# Altium PCB USD3.0.PcbDoc (part 1 of 3) (continued)
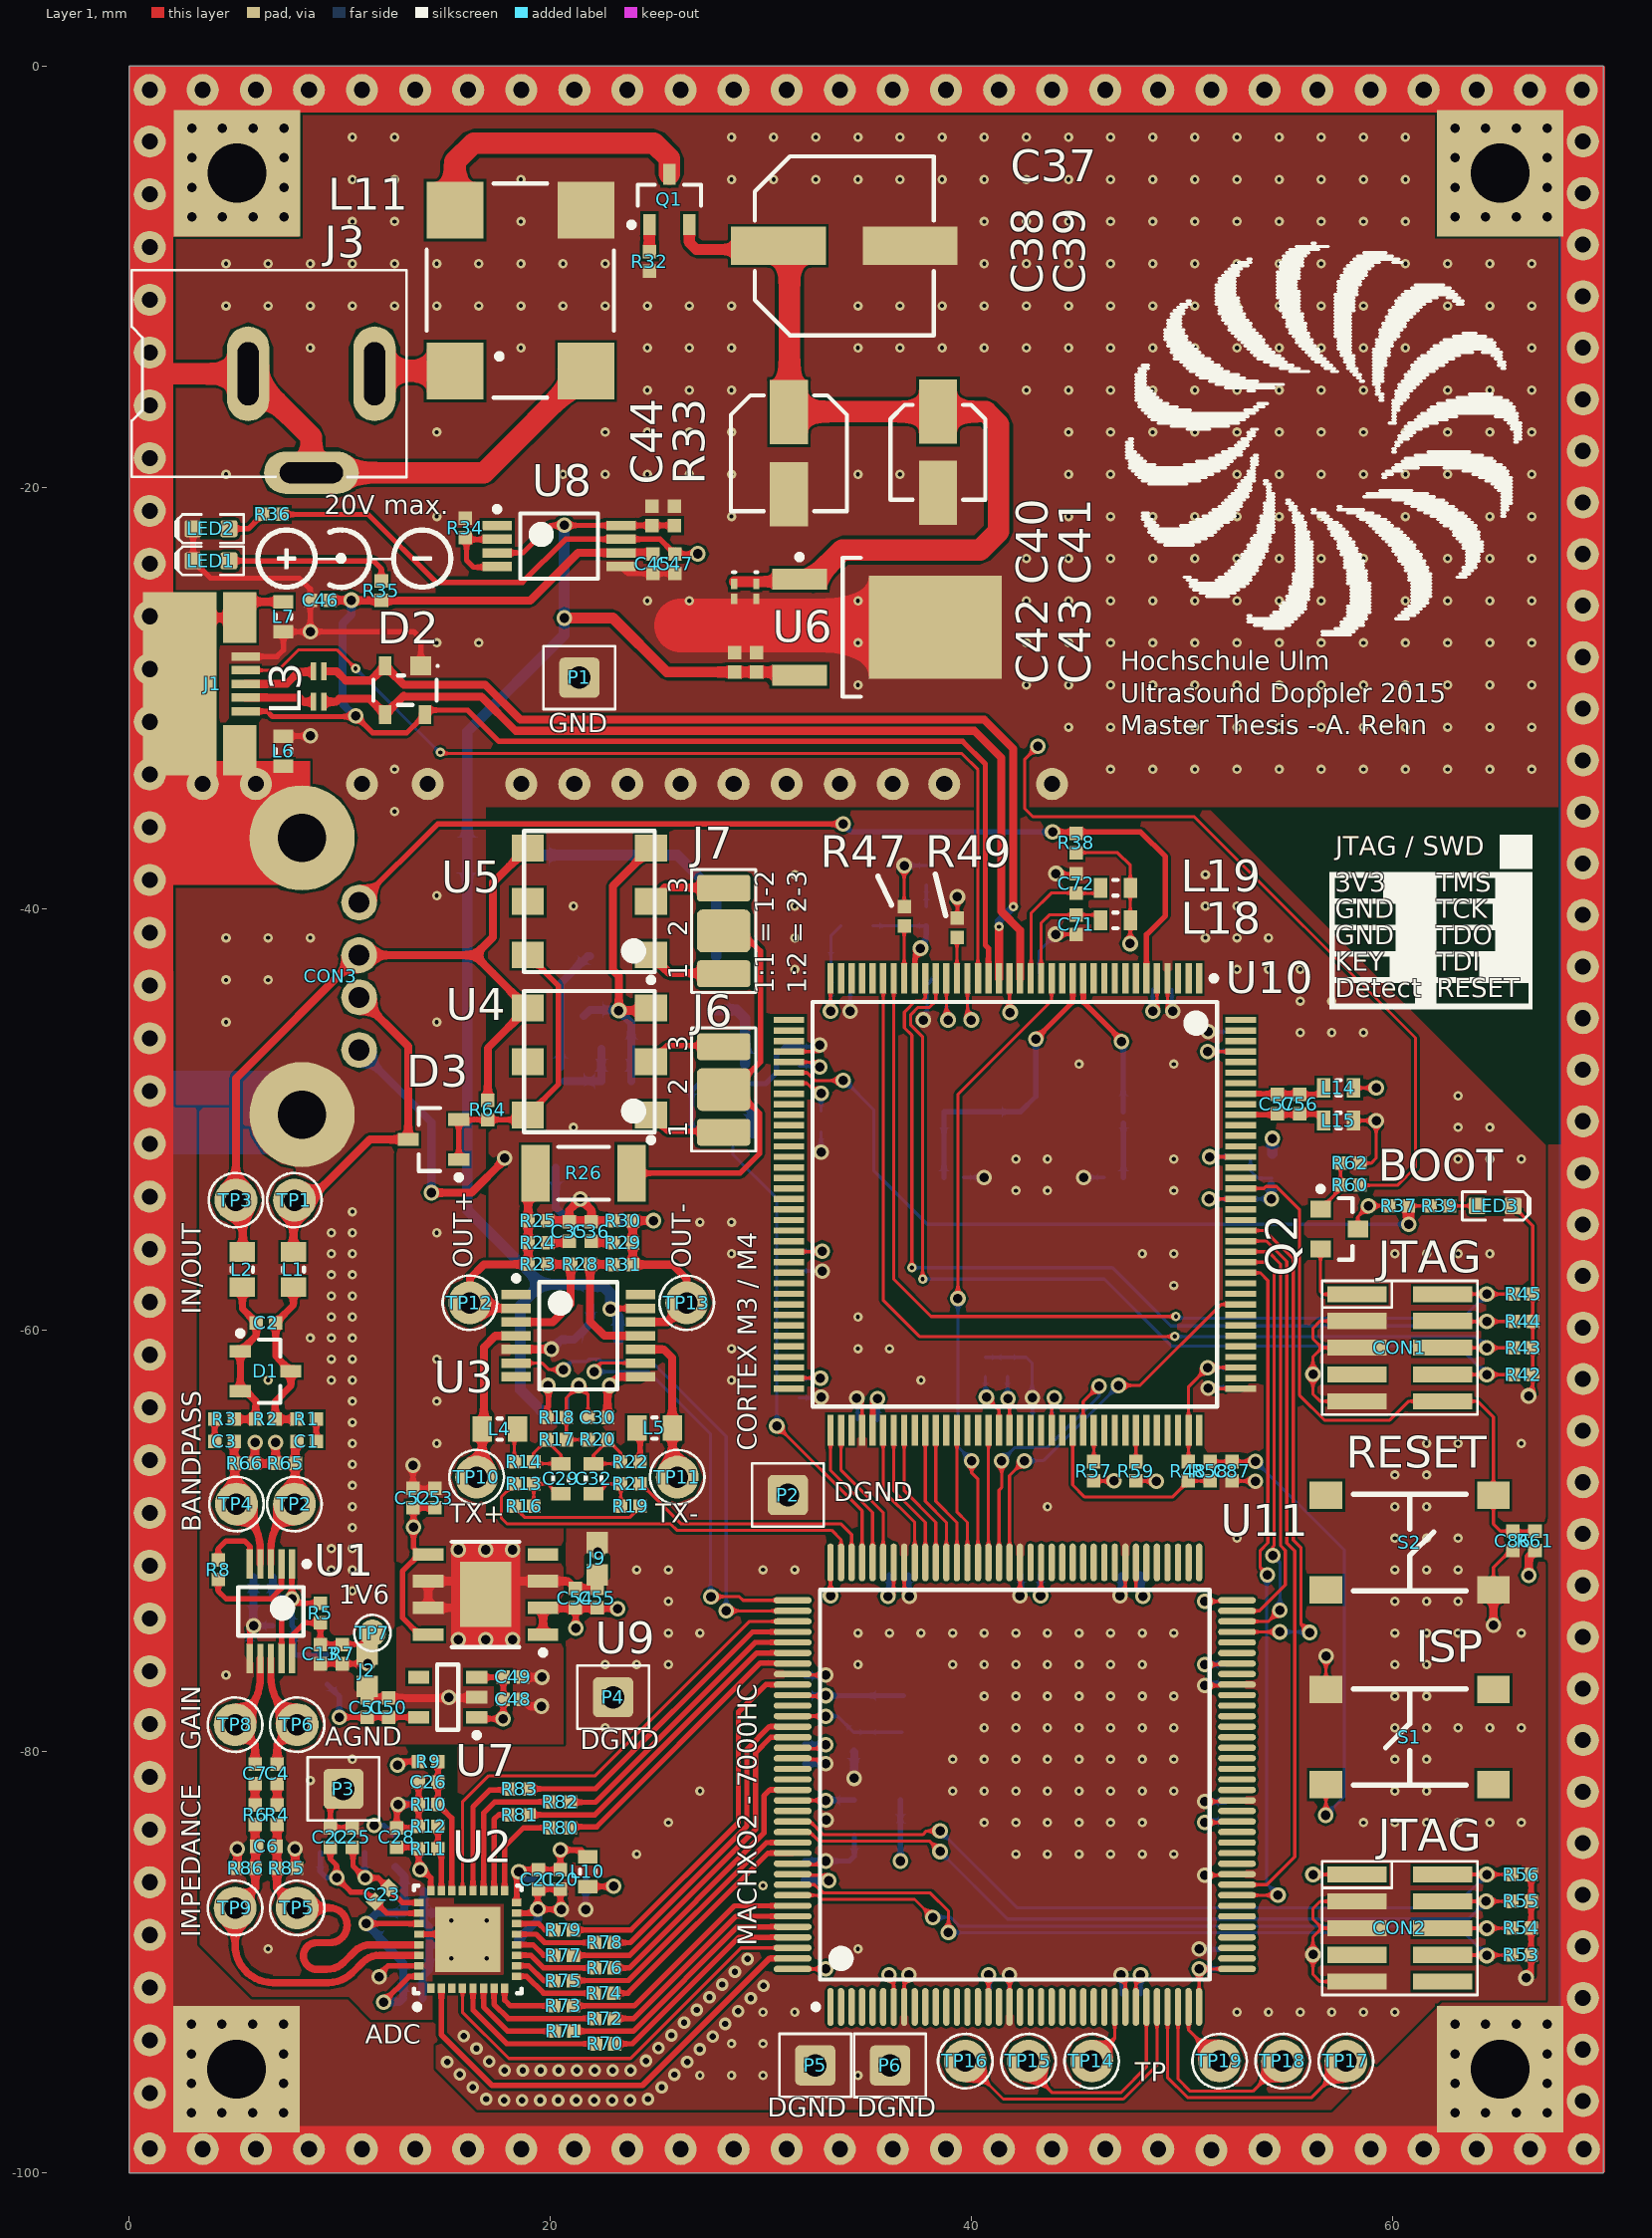
[diagram p0: Layer 1 view]
## Classes and differential pairs
net class GAINED: GAINED_N GAINED_P
component class CPLD: C75 C76 C77 C78 C79 C80 C81 C82 C83 C84 C85 CON2 J5 OSC2 R52 R53 R54 R55 R56 TP14 TP15 TP16 TP17 TP18 TP19 U11
net class SPI[4..0]: SPI0 SPI1 SPI2 SPI3 SPI4
net class DATA[7..0]: DATA0 DATA1 DATA2 DATA3 DATA4 DATA5 DATA6 DATA7
component class Messsystem: D2 P1 P2 P3 P4 P5 P6
component class Transmitter: C29 C30 C32 C33 C34 C35 C36 D3 J6 J7 L4 L5 Q3 Q4 R13 R14 R15 R16 R17 R18 R19 R20 R21 R22 R23 R24 R25 R26 R27 R28 R29 R30 R31 R63 R64 R67 R68 R69 R84 TP10 TP11 TP12 TP13 U3 U4 U5
component class System: CON3 J1 J3 L3 L6 L7
component class Receiver: C4 C6 C7 C9 C10 C11 C12 C13 C14 C15 C16 C17 C18 C19 C20 C21 C22 C23 C24 C25 C26 C27 C28 L8 L9 L10 L12 R4 R5 R6 R7 R8 R9 R10 R11 R12 R65 R66 R70 R71 R72 R73 R74 R75 R76 R77 R78 R79 R80 R81 R82 R83 R85 R86 TP5 TP6 TP7 TP8 TP9 U1 U2
net class TX_PWDN[1..0]: TX_PWDN0 TX_PWDN1
net class TX_CLOCK[1..0]: TX_CLOCK0 TX_CLOCK1
component class Bandpass: C1 C2 C3 D1 L1 L2 R1 R2 R3 TP1 TP2 TP3 TP4
net class ADC[13..0]: ADC0 ADC1 ADC2 ADC3 ADC4 ADC5 ADC6 ADC7 ADC8 ADC9 ADC10 ADC11 ADC12 ADC13
component class "Cortex CLK_SWD_USB_ADC": C73 C74 C86 CON1 J4 OSC1 Q2 R38 R41 R42 R43 R44 R45 R46 R47 R49 R50 R51 R60 R61 R62 S2
component class "Cortex POWER": C56 C57 C58 C59 C60 C61 C62 C63 C64 C65 C66 C67 C68 C69 C70 C71 C72 L14 L15 L16 L17 L18 L19
component class Ports: C87 LED3 R37 R39 R40 R48 R57 R58 R59 S1 U10
net class USB: USB0_N USB0_P
net class ADC: ADC_OTR RX_CLOCK
component class Supply: C37 C38 C39 C40 C41 C42 C43 C44 C45 C46 C47 C48 C49 C50 C51 C52 C53 C54 C55 J2 J9 L11 LED1 LED2 Q1 R32 R33 R34 R35 R36 U6 U7 U8 U9
differential pair OUT: +OUT_P -OUT_N
differential pair TX: +TX_P -TX_N
differential pair FILTERED: +FILTERED_P -FILTERED_N
differential pair PIEZO: +PIEZO_P -PIEZO_N
differential pair USB0: +USB0_P -USB0_N

## Components (designator, comment, footprint, x,y, rotation, side; value= is the part's Value field where it differs from the comment)
C1 "470pF" 0402[1005] 8.425,-65.275 r180 top
C2 "47pF" 0402[1005] 6.5,-59.65 r180 top
C3 "470pF" 0402[1005] 4.525,-65.275 r0 top
C4 "0.1µF" 0402[1005] 7.028,-81.053 r270 top
C6 "20pF" 0402[1005] 6.503,-84.503 r180 top
C7 "0.1µF" 0402[1005] 5.978,-81.053 r270 top
C9 "1nF" 0402[1005] 6.353,-71.728 r180 bottom
C10 "10nF" 0402[1005] 6.353,-72.778 r180 bottom
C11 "10µF Tantalum" 0805[2012] 6.775,-75.425 r180 bottom
C12 "0.1µF" 0402[1005] 7.275,-74.025 r180 bottom
C13 "0.1µF" 0402[1005] 9.078,-75.378 r270 top
C14 "10µF Tantalum" 0805[2012] 13.203,-89.172 r0 bottom
C15 "1nF" 0402[1005] 13.528,-87.663 r0 bottom
C16 "0.1µF" 0402[1005] 13.478,-91.713 r0 bottom
C17 "1nF" 0402[1005] 13.528,-86.613 r0 bottom
C18 "0.1µF" 0402[1005] 13.478,-90.663 r0 bottom
C19 "10µF Tantalum" 0805[2012] 20.625,-86.075 r0 bottom
C20 "1nF" 0402[1005] 20.475,-86.075 r270 top
C21 "0.1µF" 0402[1005] 19.425,-86.075 r270 top
C22 "0.1µF" 0402[1005] 9.553,-84.088 r90 top
C23 "0.1µF" 0402[1005] 12,-86.8 r45 top
C24 "10µF Tantalum" 0805[2012] 10.125,-84.8 r0 bottom
C25 "0.1µF" 0402[1005] 10.603,-84.088 r90 top
C26 "0.1µF" 0402[1005] 14.203,-81.463 r180 top
C27 "10µF Tantalum" 0805[2012] 14.4,-83.55 r90 bottom
C28 "0.1µF" 0402[1005] 12.703,-84.088 r90 top
C29 "47nF" 0603[1508] 20.5,-67.05 r270 top
C30 "1µF" 0402[1005] 22.25,-64.15 r0 top
C32 "47nF" 0603[1508] 22.05,-67.05 r270 top
C33 "10µF" 0805[2012] 22.175,-60.45 r180 bottom
C34 "1nF" 0402[1005] 21.9,-58.375 r270 bottom
C35 "1nF" 0402[1005] 20.9,-55.325 r270 top
C36 "1nF" 0402[1005] 21.95,-55.325 r270 top
C37 "47µF" "Panasonic Size E" 33.95,-8.525 r0 top
C38 "10µF" "Panasonic Size C" 31.325,-18.375 r270 top
C39 "4.7µF" "Panasonic Size B" 38.4,-18.325 r270 top
C40 "0.33µF" 0603 28.725,-24.925 r270 top
C41 "0.33µF" 0603 29.775,-24.925 r270 top
C42 "0.1µF" 0402[1005] 28.75,-28.3 r90 top
C43 "0.1µF" 0402[1005] 29.788,-28.297 r90 top
C44 "0.1µF" 0402[1005] 24.83,-21.345 r90 top
C45 "0.1µF" 0402[1005] 24.865,-23.62 r270 top
C46 "1µF" 0402[1005] 9.075,-25.35 r180 top
C47 "1µF" 0402[1005] 25.915,-23.62 r270 top
C48 "1µF" 0402[1005] 18.225,-77.525 r0 top
C49 "1µF" 0402[1005] 18.225,-76.475 r0 top
C50 "1µF" 0402[1005] 12.325,-77.925 r90 top
C51 "1µF" 0402[1005] 11.3,-77.925 r90 top
C52 "1µF" 0402[1005] 13.475,-67.975 r90 top
C53 "1µF" 0402[1005] 14.525,-67.975 r90 top
C54 "1µF" 0402[1005] 21.175,-72.725 r90 top
C55 "1µF" 0402[1005] 22.225,-72.725 r90 top
C56 "10nF" 0402[1005] 55.575,-49.275 r270 top
C57 "100pF" 0402[1005] 54.525,-49.275 r270 top
C58 "0.1µF" 0402[1005] 49.05,-43.8 r0 bottom
C59 "0.1µF" 0402[1005] 38.35,-44.3 r180 bottom
C60 "0.1µF" 0402[1005] 33.775,-43.8 r0 bottom
C61 "0.1µF" 0402[1005] 31.825,-47 r90 bottom
C62 "0.1µF" 0402[1005] 31.825,-56.725 r270 bottom
C63 "0.1µF" 0402[1005] 31.825,-62.75 r270 bottom
C64 "0.1µF" 0402[1005] 35.05,-64.25 r180 bottom
C65 "0.1µF" 0402[1005] 43.35,-64.25 r180 bottom
C66 "0.1µF" 0402[1005] 52.275,-62.25 r270 bottom
C67 "0.1µF" 0402[1005] 52.775,-53.775 r0 bottom
C68 "10nF" 0402[1005] 52.775,-51.775 r0 bottom
C69 "10nF" 0402[1005] 52.275,-46.3 r90 bottom
C70 "4.7µF 10V" 0603[1508] 54.275,-52.325 r270 bottom
C71 "0.1µF" 0402[1005] 44.975,-40.75 r270 top
C72 "0.1µF" 0402[1005] 44.975,-38.8 r90 top
C73 "18pF" 0402[1005] 46.75,-52.75 r180 bottom
C74 "18pF" 0402[1005] 39.15,-52.75 r0 bottom
C75 "1µF" 0402[1005] 47.55,-71.625 r180 bottom
C76 "0.1µF" 0402[1005] 51.725,-89.85 r90 bottom
C77 "0.1µF" 0402[1005] 52.05,-82.85 r90 bottom
C78 "0.1µF" 0402[1005] 52.025,-76.325 r270 bottom
C79 "0.1µF" 0402[1005] 42.8,-71.625 r180 bottom
C80 "0.1µF" 0402[1005] 36.55,-71.625 r0 bottom
C81 "0.1µF" 0402[1005] 32.1,-76.875 r90 bottom
C82 "0.1µF" 0402[1005] 32.075,-80.125 r270 bottom
C83 "0.1µF" 0402[1005] 32.075,-85.65 r90 bottom
C84 "0.1µF" 0402[1005] 47.575,-91.55 r180 bottom
C85 "10nF" 0402[1005] 41.325,-91.55 r0 bottom
C86 "0.1µF" 0402[1005] 65.7,-70 r270 top
C87 "0.1µF" 0402[1005] 52.375,-66.7 r270 top
CON1 "JTAG" SWD-10-SMD 60.332,-57.914 r270 top
CON2 "JTAG" SWD-10-SMD 60.332,-85.464 r270 top
CON3 "USB A female" "USB A female" 10.919,-43.2 r0 top
D1 "BAT64-04" SOT23-3 6.475,-61.95 r0 top
D2 "PRTR5V0U2X" SOT143-B 13.1,-29.62 r270 top
D3 "BAT64-04" SOT23-3 14.45,-50.95 r180 top
J1 "MOLEX 47346-0001" "USB Micro" 1.5,-29.35 r270 top
J2 "2 way net tie junction" 2way_MP 11.3,-76.15 r90 top net-tie
J3 "CONN_PWR_JACK_2.1x5.5mm" CONN_PWR_JACK_2.1x5.5mm -2.05,-14.6 r90 top
J4 "Jumper" JUMP1 34.235,-40.8 r0 bottom
J5 "Jumper" JUMP1 36.7,-78.325 r270 bottom
J6 "Jumper" Jump_3Way 28.225,-48.575 r90 top
J7 "Jumper" Jump_3Way 28.225,-41.05 r90 top
J9 "2 way net tie junction" 2way_MP 22.225,-70.85 r90 top net-tie
L1 "2.7µH, 5%, 1.16ohm, 320mA" WE0805 7.795,-57.125 r270 top
L2 "2.7µH, 5%, 1.16ohm, 320mA" WE0805 5.375,-57.125 r270 top
L3 "90 Ohm" "WE-CNSW, 0603" 9,-29.45 r90 top
L4 "2.7µH, 5%, 1.16ohm, 320mA" WE0805 17.6,-64.7 r180 top
L5 "2.7µH, 5%, 1.16ohm, 320mA" WE0805 24.95,-64.65 r0 top
L6 "WE-CBF HF Ferrit 742862160" 0603[1508] 7.325,-32.51 r90 top
L7 "WE-CBF HF Ferrit 742862160" 0603[1508] 7.325,-26.135 r270 top
L8 "WE-CBF HF Ferrit 742862160" 0603[1508] 9.4,-76.1 r90 bottom
L9 "WE-CBF HF Ferrit 742862160" 0603[1508] 12.65,-84.775 r270 bottom
L10 "WE-CBF HF Ferrit 742862160" 0603[1508] 21.775,-85.7 r90 top
L11 "9.00 µH" "WE-SL5 HC" 18.575,-10.65 r90 top
L12 "WE-CBF HF Ferrit 742862160" 0603[1508] 17.75,-88.95 r0 bottom
L14 "WE-CBF HF SMD-Ferrit 742862160" 0603[1508] 57.425,-48.5 r180 top
L15 "WE-CBF HF SMD-Ferrit 742862160" 0603[1508] 57.425,-50.05 r180 top
L16 "WE-CBF HF SMD-Ferrit 742862160" 0603[1508] 42.5,-43.1 r0 bottom
L17 "WE-CBF HF SMD-Ferrit 742862160" 0603[1508] 39.1,-43.1 r180 bottom
L18 "WE-CBF HF SMD-Ferrit 742862160" 0603[1508] 46.825,-40.55 r180 top
L19 "WE-CBF HF SMD-Ferrit 742862160" 0603[1508] 46.825,-39 r180 top
LED1 "Green" LED-0603-GREEN 3.885,-23.48 r180 top
LED2 "Green" LED-0603-GREEN 3.885,-21.955 r180 top
LED3 "BOOT" LED-0603-GREEN 64.85,-54.1 r0 top
OSC1 "12MHz" CRYSTAL_HC49-US-SM 42.952,-49.635 r180 bottom
OSC2 "64 MHz" 3.2X.2.5 35.525,-83.2 r180 bottom
P1 "CONN_HEADER_PLUG_1x1P_0.100in" 1x1POS_HEADER_LOWPROF 21.375,-29.025 r0 top
P2 "CONN_HEADER_PLUG_1x1P_0.100in" 1x1POS_HEADER_LOWPROF 31.275,-67.825 r0 top
P3 "CONN_HEADER_PLUG_1x1P_0.100in" 1x1POS_HEADER_LOWPROF 10.175,-81.775 r0 top
P4 "CONN_HEADER_PLUG_1x1P_0.100in" 1x1POS_HEADER_LOWPROF 22.975,-77.425 r0 top
P5 "CONN_HEADER_PLUG_1x1P_0.100in" 1x1POS_HEADER_LOWPROF 32.575,-94.9 r0 top
P6 "CONN_HEADER_PLUG_1x1P_0.100in" 1x1POS_HEADER_LOWPROF 36.125,-94.905 r0 top
Q1 "IRLML6402PBF" SOT23-3 25.65,-6.325 r90 top
Q2 "IRLML6402GPbF" INTR-SOT-23-3_V 57.45,-55.2 r270 top
Q3 "AQY282S" SOP4 24.875,-43.525 r180 bottom
Q4 "FDV303N" SOT23127P600-8N 28.15,-48.3 r180 bottom
R1 "24R" 0402[1005] 8.425,-64.225 r0 top
R2 "390R" 0402[1005] 6.47,-64.23 r180 top
R3 "24R" 0402[1005] 4.525,-64.225 r180 top
R4 "33R" 0402[1005] 7.028,-83.003 r270 top
R5 "1k" 0402[1005] 9.078,-73.428 r270 top
R6 "33R" 0402[1005] 5.978,-83.003 r270 top
R7 "1k" 0402[1005] 10.128,-75.378 r270 top
R8 "8R2" 0402[1005] 4.228,-71.378 r90 top
R9 "1k" 0402[1005] 14.2,-80.475 r0 top
R10 "2k" 0402[1005] 14.203,-82.513 r180 top
R11 "NA" 0402[1005] 14.203,-84.613 r180 top
R12 "0R" 0402[1005] 14.203,-83.563 r180 top
R13 "2k7" 0402[1005] 18.75,-67.3 r0 top
R14 "100R" 0402[1005] 18.75,-66.25 r180 top
R15 "5k6" 0402[1005] 20.375,-64.175 r0 bottom
R16 "10k" 0402[1005] 18.75,-68.35 r180 top
R17 "10k" 0402[1005] 20.3,-65.2 r0 top
R18 "5k6" 0402[1005] 20.3,-64.15 r180 top
R19 "10k" 0402[1005] 23.8,-68.35 r180 top
R20 "10k" 0402[1005] 22.25,-65.2 r0 top
R21 "2k7" 0402[1005] 23.8,-67.3 r180 top
R22 "100R" 0402[1005] 23.8,-66.25 r0 top
R23 "750R" 0402[1005] 19.4,-56.875 r180 top
R24 "10R" 0402[1005] 19.4,-55.85 r180 top
R25 "10k" 0402[1005] 19.4,-54.8 r0 top
R26 "3R" "2010[5.0x2.5 metric]" 21.575,-52.55 r0 top
R27 "3R" "2010[5.0x2.5 metric]" 20.25,-50.025 r90 bottom
R28 "750R" 0402[1005] 21.425,-56.875 r0 top
R29 "10R" 0402[1005] 23.45,-55.855 r180 top
R30 "10k" 0402[1005] 23.45,-54.805 r180 top
R31 "750R" 0402[1005] 23.45,-56.89 r0 top
R32 "100k" 0402[1005] 24.7,-9.275 r270 top
R33 "4K7" 0402[1005] 25.88,-21.345 r90 top
R34 "390R" 0402[1005] 15.965,-21.92 r90 top
R35 "2K2" 0402[1005] 11.975,-24.9 r90 top
R36 "2K2" 0402[1005] 6.8,-21.275 r180 top
R37 "2K2" 0402[1005] 60.275,-54.1 r180 top
R38 "10K" 0402[1005] 44.975,-36.875 r90 top
R39 "2K2" 0402[1005] 62.225,-54.1 r0 top
R40 "2K2" 0402[1005] 32.85,-50.125 r270 bottom
R41 "10K" 0402[1005] 37.85,-40.35 r90 bottom
R42 "10K" 0402[1005] 66.182,-62.114 r0 top
R43 "10K" 0402[1005] 66.182,-60.839 r0 top
R44 "10K" 0402[1005] 66.182,-59.589 r0 top
R45 "10K" 0402[1005] 66.182,-58.289 r0 top
R46 "10K" 0402[1005] 37.85,-38.4 r90 bottom
R47 "10K" 0402[1005] 36.8,-40.35 r90 top
R48 "1k5" 0402[1005] 50.275,-66.7 r270 top
R49 "12K" 0402[1005] 39.325,-40.9 r90 top
R50 "33R" 0402[1005] 41.7,-61.75 r90 bottom
R51 "33R" 0402[1005] 40.65,-61.75 r90 bottom
R52 "10K" 0402[1005] 34.4,-79.55 r90 bottom
R53 "10K" 0402[1005] 66.107,-89.664 r0 top
R54 "10K" 0402[1005] 66.107,-88.389 r0 top
R55 "10K" 0402[1005] 66.107,-87.114 r0 top
R56 "10K" 0402[1005] 66.107,-85.839 r0 top
R57 "2k2" 0402[1005] 45.8,-66.7 r90 top
R58 "100R" 0402[1005] 51.325,-66.7 r90 top
R59 "2k2" 0402[1005] 47.8,-66.7 r270 top
R60 "10K" 0402[1005] 57.975,-53.1 r180 top
R61 "10K" 0402[1005] 66.75,-70 r90 top
R62 "100K" 0402[1005] 57.975,-52.075 r180 top
R63 "10R" 0603[1508] 23.125,-46.65 r180 bottom
R64 "1k" 0402[1005] 17.025,-49.55 r90 top
R65 "10k" 0402[1005] 7.425,-66.325 r180 top
R66 "10k" 0402[1005] 5.475,-66.325 r0 top
R67 "1R, 1/8W" "RES1405[3614 Metric]" 17.675,-37.45 r0 bottom
R68 "10R" 0402[1005] 29.125,-50.65 r0 bottom
R69 "10k" 0402[1005] 27.175,-50.65 r0 bottom
R70 "100R" 0402[1005] 22.6,-93.875 r0 top
R71 "100R" 0402[1005] 20.65,-93.275 r0 top
R72 "100R" 0402[1005] 22.575,-92.675 r0 top
R73 "100R" 0402[1005] 20.625,-92.075 r0 top
R74 "100R" 0402[1005] 22.55,-91.475 r0 top
R75 "100R" 0402[1005] 20.625,-90.875 r0 top
R76 "100R" 0402[1005] 22.575,-90.275 r0 top
R77 "100R" 0402[1005] 20.625,-89.675 r0 top
R78 "100R" 0402[1005] 22.575,-89.075 r0 top
R79 "100R" 0402[1005] 20.625,-88.475 r0 top
R80 "100R" 0402[1005] 20.475,-83.625 r0 top
R81 "100R" 0402[1005] 18.525,-83.008 r0 top
R82 "100R" 0402[1005] 20.475,-82.392 r0 top
R83 "100R" 0402[1005] 18.525,-81.775 r0 top
R84 "10R" 0603[1508] 23.125,-48.175 r180 bottom
R85 "10k" 0402[1005] 7.475,-85.55 r0 top
R86 "10k" 0402[1005] 5.525,-85.55 r180 top
S1 "ISP" "Omron B3S1000" 60.8,-79.315 r180 top
S2 "RESET" "Omron B3S1000" 60.8,-70.082 r0 top
TP1 "TESTPOINT_THT_MINI" TP-THT-MINI 7.845,-53.83 r270 top
TP2 "TESTPOINT_THT_MINI" TP-THT-MINI 7.845,-68.255 r270 top
TP3 "TESTPOINT_THT_MINI" TP-THT-MINI 5.07,-53.83 r270 top
TP4 "TESTPOINT_THT_MINI" TP-THT-MINI 5.095,-68.255 r270 top
TP5 "TESTPOINT_THT_MINI" TP-THT-MINI 7.978,-87.428 r270 top
TP6 "TESTPOINT_THT_MINI" TP-THT-MINI 7.978,-78.728 r270 top
TP7 "TESTPOINT" TP-R60 11.55,-74.375 r0 top
TP8 "TESTPOINT_THT_MINI" TP-THT-MINI 5.028,-78.728 r270 top
TP9 "TESTPOINT_THT_MINI" TP-THT-MINI 5.028,-87.428 r270 top
TP10 "TESTPOINT_THT_MINI" TP-THT-MINI 16.5,-66.975 r0 top
TP11 "TESTPOINT_THT_MINI" TP-THT-MINI 26.025,-66.975 r0 top
TP12 "TESTPOINT_THT_MINI" TP-THT-MINI 16.175,-58.7 r0 top
TP13 "TESTPOINT_THT_MINI" TP-THT-MINI 26.475,-58.7 r0 top
TP14 "TESTPOINT_THT_MINI" TP-THT-MINI 45.7,-94.7 r90 top
TP15 "TESTPOINT_THT_MINI" TP-THT-MINI 42.7,-94.7 r90 top
TP16 "TESTPOINT_THT_MINI" TP-THT-MINI 39.7,-94.7 r90 top
TP17 "TESTPOINT_THT_MINI" TP-THT-MINI 57.775,-94.7 r90 top
TP18 "TESTPOINT_THT_MINI" TP-THT-MINI 54.775,-94.7 r90 top
TP19 "TESTPOINT_THT_MINI" TP-THT-MINI 51.775,-94.7 r90 top
U1 "AD8351ARMZ" MSOP10 6.728,-73.349 r270 top
U2 "AD9245BCPZ-80" LFCSP-32 16.075,-88.925 r90 top
U3 "AD8018ARUZ" TSSOP14 21.325,-60.265 r0 top
U4 "PWB-2-CLB" PWB-X- 21.85,-47.25 r180 top
U5 "PWB-2-CLB" PWB-X- 21.85,-39.65 r180 top
U6 "L78M05CDT-TR" DPAK 35.975,-26.63 r0 top
U7 "ADP151AUJZ-3.3-R7" SOT23-5-TI 15.125,-77.425 r180 top
U8 "TPS2115A" TSSOP-8 20.415,-22.775 r0 top
U9 "ADP7104ARDZ-3.3-R7" SOIC8_EP 16.925,-72.55 r180 top
U10 "LPC4330FBD144" LQFP144 42.05,-54.025 r270 top
U11 "LCMXO2-7000HC-4TG144C" TQFP144_N 42.05,-81.575 r90 top

## Footprints (in the part's own frame and the unit in brackets; to place one, negate y for a bottom-side part, rotate by r counter-clockwise, add the part's x,y. Pads: shape width x height; smd on the part's side, far side on the other; paste and mask are expansions set on the pad)
1x1POS_HEADER_LOWPROF [mil] "Connector Header, Single-row 1-position, 0.100\" pitch"
  rrect25% 75x75 hole 42: 1(0,0)
  silkscreen extent -67,-59 67,59, body extent -57,-50 57,50, height 267
2way_MP [mil] "2 way medium power net tie junction"
  rrect5% 40x40 smd paste-100: 1(-30,0) 2(30,0)
3.2X.2.5 [mm]
  rect 1.4x1.2 smd: CLK(1.1,0.8) EN(-1.1,-0.8) GND(1.1,-0.8) VCC(-1.1,0.8)
  silkscreen extent -2.54,-1.65 2.54,1.65, body extent -2.5,-1.6 2.5,1.6, height 1.37
0402[1005] [mm]
  rect 0.64x0.64 smd: 1(-0.46,0) 2(0.46,0)
  body extent -0.55,-0.3 0.55,0.3, height 0.6
0603 [mm] "Chip Inductor, Body 0.6x0.3mm, IPC High Density"
  rect 0.5x0.3 smd: 1(-0.35,0) 2(0.35,0)
  silkscreen extent -0.9,-0.05 -0.9,0.05, body extent -0.33,-0.18 0.33,0.18, height 0.55
0603[1508] [mm]
  rect 0.64x0.94 smd: 1(-0.71,0) 2(0.71,0)
  silkscreen extent -0.1,-0.37 0.1,0.37, body extent -0.8,-0.45 0.8,0.45, height 0.9
0805[2012] [mm]
  rect 0.8x1.35 smd: 1(-1.05,0) 2(1.05,0)
  silkscreen extent -0.25,-0.58 0.25,0.58, body extent -1.05,-0.65 1.05,0.65, height 1.3
"2010[5.0x2.5 metric]" [mm]
  rect 1.35x2.7 smd: 1(-2.275,0) 2(2.275,0)
  silkscreen extent -1.2,-1.25 1.2,1.25, body extent -2.6,-1.35 2.6,1.35, height 0.7
CONN_PWR_JACK_2.1x5.5mm [mm] "Power Connector, 2.1mm ID, 5.5mm OD"
  oval 4.5x2 hole 1 slot 3 at 0 deg: 1(0,-13.7) 2(0,-7.7)
  oval 2x4.5 hole 1 slot 3 at 90 deg: 3(-4.7,-10.7)
  silkscreen extent -4.9,-15.22 4.92,-2.17, body extent -4.9,-14.1 4.5,0, height 11
CRYSTAL_HC49-US-SM [mm] "SMD Crystal HC49/US-SM package"
  round 0.508 on Mech15: 0(0,0)
  rrect25% 5.5x1.5 smd: 1(-4.25,0) 2(4.25,0)
  silkscreen extent -5.84,-2.41 5.84,2.41, body extent -6.4,-2.41 6.4,2.42, height 4.29
DPAK [mm]
  rect 2.6x1 smd: 1(-4.15,2.28) 3(-4.15,-2.28)
  rect 6.3x4.9 smd: 4(2.3,0)
  silkscreen extent -4.27,-3.3 -1.25,3.45, body extent -2.1,-3.3 4.1,3.3, height 2.4
INTR-SOT-23-3_V [mm] "SOT23, 3-Leads, Body 2.92x1.3mm, Pitch 1.9mm"
  rect 0.802x0.972 smd: 1(-0.95,-0.885) 2(0.95,-0.885) 3(0,0.885)
  silkscreen extent -2.03,-1.01 1.46,0.64, body extent -1.46,-0.65 1.46,0.65, height 1.12
JUMP1 [mil] "SMT Battery jumper pads"
  rrect25% 50x100 smd: 1(-30,0) 2(30,0)
  rrect25% 118x108 on Bottom Solder: SM(0,0)
  silkscreen extent -65,-60 65,60
Jump_3Way [mil] "SMT Battery jumper pads"
  rrect25% 50x100 smd: 1(-80,0) 3(80,0)
  rrect25% 80x100 smd: 2(0,0)
  rrect25% 218x108 on Top Solder: SM(0,0)
  silkscreen extent -115,-60 115,60
LED-0603-GREEN [mm] "LED Circuit Board Indicator Tri-Level"
  round 0.254 on Mech15: 0(0,0)
  rrect25% 0.8x0.8 smd: A(-0.85,0) K(0.85,0)
  Layer 1 pour cut-out: -0.5,0.5 0.5,0.5 0.5,-0.5 -0.5,-0.5
  silkscreen extent -1.55,-0.67 1.68,0.67, body extent -0.8,-0.4 0.8,0.4, height 0.75
LFCSP-32 [mm] "32-Lead Frame Chip Scale Package 5x5 mm Body"
  rect 0.45x0.35 smd: 1(-2.325,1.75) 2(-2.325,1.25) 3(-2.325,0.75) 4(-2.325,0.25) 5(-2.325,-0.25) 6(-2.325,-0.75) 7(-2.325,-1.25) 8(-2.325,-1.75) 17(2.325,-1.75) 18(2.325,-1.25) 19(2.325,-0.75) 20(2.325,-0.25) 21(2.325,0.25) 22(2.325,0.75) 23(2.325,1.25) 24(2.325,1.75)
  rect 0.35x0.45 smd: 9(-1.75,-2.325) 10(-1.25,-2.325) 11(-0.75,-2.325) 12(-0.25,-2.325) 13(0.25,-2.325) 14(0.75,-2.325) 15(1.25,-2.325) 16(1.75,-2.325) 25(1.75,2.325) 26(1.25,2.325) 27(0.75,2.325) 28(0.25,2.325) 29(-0.25,2.325) 30(-0.75,2.325) 31(-1.25,2.325) 32(-1.75,2.325)
  rect 3.1x3.1 smd: 33(0,0)
  silkscreen extent -3.32,-2.55 2.55,2.55, body extent -2.55,-2.55 2.55,2.55, height 0.8
LQFP144 [mm] "plastic low profile quad flat package, 144 leads, body 20x20x1.4mm"
  rect 1.45x0.3 smd: 1(-10.725,8.75) 2(-10.725,8.25) 3(-10.725,7.75) 4(-10.725,7.25) 5(-10.725,6.75) 6(-10.725,6.25) 7(-10.725,5.75) 8(-10.725,5.25) 9(-10.725,4.75) 10(-10.725,4.25) 11(-10.725,3.75) 12(-10.725,3.25) 13(-10.725,2.75) 14(-10.725,2.25) 15(-10.725,1.75) 16(-10.725,1.25) 17(-10.725,0.75) 18(-10.725,0.25) 19(-10.725,-0.25) 20(-10.725,-0.75) 21(-10.725,-1.25) 22(-10.725,-1.75) 23(-10.725,-2.25) 24(-10.725,-2.75) 25(-10.725,-3.25) 26(-10.725,-3.75) 27(-10.725,-4.25) 28(-10.725,-4.75) 29(-10.725,-5.25) 30(-10.725,-5.75) 31(-10.725,-6.25) 32(-10.725,-6.75) 33(-10.725,-7.25) 34(-10.725,-7.75) 35(-10.725,-8.25) 36(-10.725,-8.75) 73(10.725,-8.75) 74(10.725,-8.25) 75(10.725,-7.75) 76(10.725,-7.25) 77(10.725,-6.75) 78(10.725,-6.25) 79(10.725,-5.75) 80(10.725,-5.25) 81(10.725,-4.75) 82(10.725,-4.25) 83(10.725,-3.75) 84(10.725,-3.25) 85(10.725,-2.75) 86(10.725,-2.25) 87(10.725,-1.75) 88(10.725,-1.25) 89(10.725,-0.75) 90(10.725,-0.25) 91(10.725,0.25) 92(10.725,0.75) 93(10.725,1.25) 94(10.725,1.75) 95(10.725,2.25) 96(10.725,2.75) 97(10.725,3.25) 98(10.725,3.75) 99(10.725,4.25) 100(10.725,4.75) 101(10.725,5.25) 102(10.725,5.75) 103(10.725,6.25) 104(10.725,6.75) 105(10.725,7.25) 106(10.725,7.75) 107(10.725,8.25) 108(10.725,8.75)
  rect 0.3x1.45 smd: 37(-8.75,-10.725) 38(-8.25,-10.725) 39(-7.75,-10.725) 40(-7.25,-10.725) 41(-6.75,-10.725) 42(-6.25,-10.725) 43(-5.75,-10.725) 44(-5.25,-10.725) 45(-4.75,-10.725) 46(-4.25,-10.725) 47(-3.75,-10.725) 48(-3.25,-10.725) 49(-2.75,-10.725) 50(-2.25,-10.725) 51(-1.75,-10.725) 52(-1.25,-10.725) 53(-0.75,-10.725) 54(-0.25,-10.725) 55(0.25,-10.725) 56(0.75,-10.725) 57(1.25,-10.725) 58(1.75,-10.725) 59(2.25,-10.725) 60(2.75,-10.725) 61(3.25,-10.725) 62(3.75,-10.725) 63(4.25,-10.725) 64(4.75,-10.725) 65(5.25,-10.725) 66(5.75,-10.725) 67(6.25,-10.725) 68(6.75,-10.725) 69(7.25,-10.725) 70(7.75,-10.725) 71(8.25,-10.725) 72(8.75,-10.725) 109(8.75,10.725) 110(8.25,10.725) 111(7.75,10.725) 112(7.25,10.725) 113(6.75,10.725) 114(6.25,10.725) 115(5.75,10.725) 116(5.25,10.725) 117(4.75,10.725) 118(4.25,10.725) 119(3.75,10.725) 120(3.25,10.725) 121(2.75,10.725) 122(2.25,10.725) 123(1.75,10.725) 124(1.25,10.725) 125(0.75,10.725) 126(0.25,10.725) 127(-0.25,10.725) 128(-0.75,10.725) 129(-1.25,10.725) 130(-1.75,10.725) 131(-2.25,10.725) 132(-2.75,10.725) 133(-3.25,10.725) 134(-3.75,10.725) 135(-4.25,10.725) 136(-4.75,10.725) 137(-5.25,10.725) 138(-5.75,10.725) 139(-6.25,10.725) 140(-6.75,10.725) 141(-7.25,10.725) 142(-7.75,10.725) 143(-8.25,10.725) 144(-8.75,10.725)
  silkscreen extent -10.85,-9.6 9.6,9.6, body extent -10,-10 10,10, height 1.6
MSOP10 [mm]
  rect 1.4x0.3 smd: 1(-2.25,1) 2(-2.25,0.5) 3(-2.25,0) 4(-2.25,-0.5) 5(-2.25,-1) 6(2.25,-1) 7(2.25,-0.5) 8(2.25,0) 9(2.25,0.5) 10(2.25,1)
  silkscreen extent -2.37,-1.55 1.15,1.83, body extent -1.55,-1.55 1.55,1.55, height 1.1
"Omron B3S1000" [mm] "SMT"
  rect 1.55x1.3 smd: 1(3.975,-2.25) 2(-3.975,-2.25) 3(3.975,2.25) 4(-3.975,2.25)
  silkscreen extent -2.67,-2.29 2.67,2.29, body extent -3.87,-3.17 4.13,3.13, height 3.1
"Panasonic Size B" [mm] "Aluminum Electrolytic Capacitor, Body 4,30x4,30x5,50mm, IPC Low Density"
  rect 3.05x1.8 smd: 1(-1.925,0) 2(1.925,0)
  silkscreen extent -2.25,-2.25 2.25,2.25, body extent -2.25,-2.25 2.25,2.25, height 5.5
"Panasonic Size C" [mm] "Aluminum Electrolytic Capacitor, Body 5,30x5,30x5,50mm, IPC Low Density"
  rect 3.05x1.8 smd: 1(-1.95,0) 2(1.95,0)
  silkscreen extent -2.75,-2.75 2.75,2.75, body extent -2.75,-2.75 2.75,2.75, height 5.5
"Panasonic Size E" [mm] "Aluminum Electrolytic Capacitor, Body 8,30x8,30x6,50mm, IPC Low Density"
  rect 4.5x1.8 smd: 1(-3.125,0) 2(3.125,0)
  silkscreen extent -4.25,-4.25 4.25,4.25, body extent -4.25,-4.25 4.25,4.25, height 6.5
PWB-X- [mm]
  rect 1.52x1.27 smd: 1(-2.925,2.54) 2(-2.925,0) 3(-2.925,-2.54) 4(2.925,-2.54) 5(2.925,0) 6(2.925,2.54)
  silkscreen extent -3.1,-3.35 3.1,3.85, body extent -3.5,-3.35 3.5,3.35, height 4.65
"RES1405[3614 Metric]" [mm] "MELF Resistor, 2-Leads, Body 3,50x1,40mm, IPC Medium Density"
  rect 1.25x1.7 smd: 1(-1.625,0) 2(1.625,0)
  silkscreen extent -0.6,-0.75 0.6,0.75, body extent -1.85,-0.77 1.85,0.77, height 1.55
SOIC8_EP [mm] "SOIC, 8-Leads, Body 4,90x3,90mm, Pitch 1,27mm, Thermal Pad 3,10x2,42mm, IPC Medium Density"
  rect 1.45x0.6 smd: 1(-2.725,1.905) 2(-2.725,0.635) 3(-2.725,-0.635) 4(-2.725,-1.905) 5(2.725,-1.905) 6(2.725,-0.635) 7(2.725,0.635) 8(2.725,1.905)
  rect 2.42x3.1 smd: 9(0,0)
  silkscreen extent -2.85,-2.5 1.6,2.88, body extent -2,-2.5 2,2.5, height 1.75
SOP4 [mm] "AQY28_S"
  rect 1.2x0.8 smd: 1(-3,1.27) 2(-3,-1.27) 3(3,-1.27) 4(3,1.27)
  silkscreen extent -3.13,-2.25 1.95,2.34, body extent -2.3,-2.25 2.3,2.25, height 2
SOT23-3 [mm]
  rect 1x0.6 smd: 1(-1.2,0.95) 2(-1.2,-0.95) 3(1.2,0)
  silkscreen extent -1.32,-1.5 0.7,1.92, body extent -0.7,-1.5 0.7,1.5, height 1.1
SOT23-5-TI [mm] "TPS730xx power"
  rect 1x0.6 smd: 1(-1.375,0.95) 2(-1.375,0) 3(-1.375,-0.95) 4(1.375,-0.95) 5(1.375,0.95)
  silkscreen extent -1.5,-1.55 0.5,1.92, body extent -0.88,-1.52 0.87,1.53, height 1.45
SOT143-B [mm] "SOT143, 4-Leads, Body 2,90x2,30mm, Pitch 1,90mm, IPC Medium Density"
  rect 0.9x1 smd: 1(-1.15,0.75)
  rect 0.9x0.6 smd: 2(-1.15,-0.95) 3(1.15,-0.95) 4(1.15,0.95)
  silkscreen extent -1.2,-1.5 0.7,1.6, body extent -0.7,-1.5 0.7,1.5, height 1.1
SOT23127P600-8N [mm]
  rect 1.4x1 smd: 1(-1.1,0.95) 2(-1.1,-0.95) 3(1.1,0)
  silkscreen extent -1.23,-1.55 0.75,2.12, body extent -0.75,-1.56 0.75,1.56, height 1.2
SWD-10-SMD [mil]
  rect 30x110 smd: GND(65,-80) GND(115,-80) GNDDetect(215,-80) KEY(165,-80) nRESET(215,80) TCK(65,80) TDI(165,80) TDO(115,80) TMS(15,80) VTref(15,-80)
  silkscreen extent -10,-145 240,145
TP-R60 [mm]
  round 1.27 smd paste-1.27: 1(0,0)
  silkscreen extent -0.86,-0.86 0.86,0.86, body extent -0.76,-0.76 0.76,0.76, height 0.25
TP-THT-MINI [mil] "Thru-hole test point loop"
  round 80 / inner round 80 / far side round 90 hole 40: 1(0,0)
  silkscreen extent -51,-51 51,51, body extent -49,-49 49,49, height 181
TQFP144_N [mm] "Thin QFP, 144-Leads, Body 20x20mm, Pitch 0.5mm, IPC Medium Density"
  oval 1.8x0.3 smd: 1(-10.55,8.75) 2(-10.55,8.25) 3(-10.55,7.75) 4(-10.55,7.25) 5(-10.55,6.75) 6(-10.55,6.25) 7(-10.55,5.75) 8(-10.55,5.25) 9(-10.55,4.75) 10(-10.55,4.25) 11(-10.55,3.75) 12(-10.55,3.25) 13(-10.55,2.75) 14(-10.55,2.25) 15(-10.55,1.75) 16(-10.55,1.25) 17(-10.55,0.75) 18(-10.55,0.25) 19(-10.55,-0.25) 20(-10.55,-0.75) 21(-10.55,-1.25) 22(-10.55,-1.75) 23(-10.55,-2.25) 24(-10.55,-2.75) 25(-10.55,-3.25) 26(-10.55,-3.75) 27(-10.55,-4.25) 28(-10.55,-4.75) 29(-10.55,-5.25) 30(-10.55,-5.75) 31(-10.55,-6.25) 32(-10.55,-6.75) 33(-10.55,-7.25) 34(-10.55,-7.75) 35(-10.55,-8.25) 36(-10.55,-8.75) 73(10.55,-8.75) 74(10.55,-8.25) 75(10.55,-7.75) 76(10.55,-7.25) 77(10.55,-6.75) 78(10.55,-6.25) 79(10.55,-5.75) 80(10.55,-5.25) 81(10.55,-4.75) 82(10.55,-4.25) 83(10.55,-3.75) 84(10.55,-3.25) 85(10.55,-2.75) 86(10.55,-2.25) 87(10.55,-1.75) 88(10.55,-1.25) 89(10.55,-0.75) 90(10.55,-0.25) 91(10.55,0.25) 92(10.55,0.75) 93(10.55,1.25) 94(10.55,1.75) 95(10.55,2.25) 96(10.55,2.75) 97(10.55,3.25) 98(10.55,3.75) 99(10.55,4.25) 100(10.55,4.75) 101(10.55,5.25) 102(10.55,5.75) 103(10.55,6.25) 104(10.55,6.75) 105(10.55,7.25) 106(10.55,7.75) 107(10.55,8.25) 108(10.55,8.75)
  oval 0.3x1.8 smd: 37(-8.75,-10.55) 38(-8.25,-10.55) 39(-7.75,-10.55) 40(-7.25,-10.55) 41(-6.75,-10.55) 42(-6.25,-10.55) 43(-5.75,-10.55) 44(-5.25,-10.55) 45(-4.75,-10.55) 46(-4.25,-10.55) 47(-3.75,-10.55) 48(-3.25,-10.55) 49(-2.75,-10.55) 50(-2.25,-10.55) 51(-1.75,-10.55) 52(-1.25,-10.55) 53(-0.75,-10.55) 54(-0.25,-10.55) 55(0.25,-10.55) 56(0.75,-10.55) 57(1.25,-10.55) 58(1.75,-10.55) 59(2.25,-10.55) 60(2.75,-10.55) 61(3.25,-10.55) 62(3.75,-10.55) 63(4.25,-10.55) 64(4.75,-10.55) 65(5.25,-10.55) 66(5.75,-10.55) 67(6.25,-10.55) 68(6.75,-10.55) 69(7.25,-10.55) 70(7.75,-10.55) 71(8.25,-10.55) 72(8.75,-10.55) 109(8.75,10.55) 110(8.25,10.55) 111(7.75,10.55) 112(7.25,10.55) 113(6.75,10.55) 114(6.25,10.55) 115(5.75,10.55) 116(5.25,10.55) 117(4.75,10.55) 118(4.25,10.55) 119(3.75,10.55) 120(3.25,10.55) 121(2.75,10.55) 122(2.25,10.55) 123(1.75,10.55) 124(1.25,10.55) 125(0.75,10.55) 126(0.25,10.55) 127(-0.25,10.55) 128(-0.75,10.55) 129(-1.25,10.55) 130(-1.75,10.55) 131(-2.25,10.55) 132(-2.75,10.55) 133(-3.25,10.55) 134(-3.75,10.55) 135(-4.25,10.55) 136(-4.75,10.55) 137(-5.25,10.55) 138(-5.75,10.55) 139(-6.25,10.55) 140(-6.75,10.55) 141(-7.25,10.55) 142(-7.75,10.55) 143(-8.25,10.55) 144(-8.75,10.55)
  silkscreen extent -10.67,-9.25 9.25,9.57, body extent -10,-10 10,10, height 1.6
TSSOP14 [mm] "14 Lead TSSOP"
  rect 1.4x0.45 smd: 1(-2.95,1.95) 2(-2.95,1.3) 3(-2.95,0.65) 4(-2.95,0) 5(-2.95,-0.65) 6(-2.95,-1.3) 7(-2.95,-1.95) 8(2.95,-1.95) 9(2.95,-1.3) 10(2.95,-0.65) 11(2.95,0) 12(2.95,0.65) 13(2.95,1.3) 14(2.95,1.95)
  silkscreen extent -3.07,-2.55 1.85,2.85, body extent -2.25,-2.55 2.25,2.55, height 1.2
TSSOP-8 [mm] "TSOP, 8-Leads, Body 3,00x4,40mm, Pitch 0,65mm, IPC Medium Density"
  rect 1.4x0.45 smd: 1(-2.95,0.975) 2(-2.95,0.325) 3(-2.95,-0.325) 4(-2.95,-0.975) 5(2.95,-0.975) 6(2.95,-0.325) 7(2.95,0.325) 8(2.95,0.975)
  silkscreen extent -3.07,-1.55 1.85,1.87, body extent -2.25,-1.55 2.25,1.55, height 1.2
"USB A female" [mm]
  round 1.7 hole 1: D+(0,-1) D-(0,1) GND(0,-3.5) VBUS(0,3.5)
  round 5 hole 2.3: SH(-2.71,-6.57) SH(-2.71,6.57)
  body extent -12.97,-8.13 1.03,8.1, height 7.62
"USB Micro" [mm] "SMT Battery jumper pads"
  rect 0.4x1.35 smd: 1(1.275,4.025) 2(0.625,4.025) 3(-0.025,4.025) 4(-0.675,4.025) 5(-1.325,4.025)
  rect 2.4x1.6 smd: SH(-3.175,3.75) SH(3.125,3.75)
  rect 8.7x3.5 smd: SH(-0.025,0.9)
  body extent -4.1,-1.64 4.1,3.79, height 2.73
WE0805 [mm]
  rect 0.925x1.2 smd: 1(-0.837,0) 2(0.838,0)
  silkscreen extent -0.1,-0.5 0.1,0.5, body extent -1.1,-0.73 1.1,0.72, height 1.4
"WE-CNSW, 0603" [mm] "SMD Inductor, 4-Leads, Body 0.85x1.6mm Note:The land pattern and the 3D model do not align completely to each other in this component library.However, this is not a bug. It¡¯s the land pattern resulting in best overall soldering behavior.Wurth Elektronik performed all test and qualification for product release with this land pattern."
  rect 0.85x0.25 smd: 1(-0.725,0.25) 2(0.725,0.25) 3(0.725,-0.25) 4(-0.725,-0.25)
  body extent -0.8,-0.42 0.8,0.43, height 1.07
"WE-SL5 HC" [mm] "SMD Inductor, Body 8,3x9,5mm"
  rect 2.7x2.7 smd: 1(-3.81,3.11) 2(-3.81,-3.11) 3(3.81,-3.11) 4(3.81,3.11)
  silkscreen extent -5.08,-4.44 5.08,4.44, body extent -4.75,-4.17 4.75,4.13, height 5.25

## Part data
C1 C2 C3 C4 C6 C7 C9 C10 C11 C12 C13 C14 C15 C16 C17 C18 C19 C20 C21 C22 C23 C24 C25 C26 C27 C28 C29 C30 C32 C33 C34 C35 C36 C40 C41 C42 C43 C44 C45 C46 C47 C48 C49 C50 C51 C52 C53 C54 C55 C56 C57 C58 C59 C60 C61 C62 C63 C64 C65 C66 C67 C68 C69 C70 C71 C72 C73 C74 C75 C76 C77 C78 C79 C80 C81 C82 C83 C84 C85 C86 C87: library part Capacitor, "Cap"
C37: library part Capacitor, "Cap Panasonic Size E"
C38: library part Capacitor, "Cap Panasonic Size C"
C39: library part Capacitor, "Cap Panasonic Size B"
CON1 CON2: library part SWD-10_SMD
CON3: library part USB-MB-S
D1 D3: "Silicon Schottky Diodes"
D2: library part PRTR5V0, "rail-to-rail ESD protection diode"
J1: library part USB, "MICRO USB 2.0 BUCHSE, TYP B, SMD"
J2 J9: library part 2way
J3: "Power Connector, THT, 2.1mm ID, 5.5mm OD"
J4 J5: library part JUMP1, "SMD jumper"
J6 J7: library part JUMP_3WAY, "SMD jumper"
L1 L2 L8 L9 L10 L12: library part Inductor, "Inductor"
L3: library part "WE-CNSW 0603, 744230900", "SMD Common Mode Noise Suppressor WE-CNSW,  Z= 90 Ohm"
L4 L5 L6 L7 L14 L15 L16 L17 L18 L19: library part Inductor, "Ferrit"
L11: library part "WE-SL5 HC, 744273801", "SMD Common Mode Line Filter WE-SL5 HC, L=9.00 µH"
LED1 LED2 LED3: library part LED_SMD_Green_0603_525nm_350mcd, "LED 0603 SMD Green 525nm 350mcd 20mA"
OSC1: library part "Crystal 2PIN", "Resonator"
OSC2: library part "Crystal 4PIN", "Oszilator"
P1 P2 P3 P4 P5 P6: "Pin header for socket THT 1-Pos Low profile Single-row 2.54mm pitch"
Q1: library part PMOS-2, "P-Channel Power MOSFET"
Q2: library part CMP-0676-00001-1, "HEXFET Power MOSFET, P-Channel, -20 V VDSS, 0.065 Ohm RDS, 3-Pin SOT23, RoHS, Tape and Reel"
Q3: "PhotoMOS RELAY 0.5A, 60V"
Q4: library part MOSFET-N, "N-Channel MOSFET"
R1 R2 R3 R4 R5 R6 R7 R8 R9 R10 R11 R12 R13 R14 R15 R16 R17 R18 R19 R20 R21 R22 R23 R24 R25 R26 R27 R28 R29 R30 R31 R32 R33 R34 R35 R36 R37 R38 R39 R40 R41 R42 R43 R44 R45 R46 R47 R48 R49 R50 R51 R52 R53 R54 R55 R56 R57 R58 R59 R60 R61 R62 R63 R64 R65 R66 R67 R68 R69 R70 R71 R72 R73 R74 R75 R76 R77 R78 R79 R80 R81 R82 R83 R84 R85 R86: library part Resistor, "Resistor"
S1 S2: library part B3S-1000, "Sealed Tactile Switch (SMT)"
TP1 TP2 TP3 TP4 TP5 TP6 TP8 TP9 TP10 TP11 TP12 TP13 TP14 TP15 TP16 TP17 TP18 TP19: "Test Point PCB mount Miniature White"
TP7: "SMD test pin"
U1: "Differential RF/IF Amplifier"
U2: "DIFF 14-Bit ADC"
U3: "XDSL - IC, OP-AMP, 130MHz, 300V/ us, 1mV"
U4 U5: library part "RF Transformer", "RF Transformer"
U6: library part L78M, "Switch mode power supply"
U7: library part ADP151, "LDO"
U8: "autoswitching power mux"
U9: library part ADP7104, "LDO"
U10: "32-bit ARM Cortex-M4 MCU, 264 kB SRAM, 2 HS USB with on-chip PHY, Ethernet, CAN, AES, SPIFI, SGPIO, SCT, 144-Pin LQFP"
U11: library part CMP-0111-00318-1, "MachXO2 High Performance CPLD with 6864 LUTs, Voltage Regulator, 2.5V/3.3V, 144-pin TQFP, Speed Grade-4, Commercial Grade, Halogen Free (RoHS)"

## Free pads (board coordinates)
  round 1.524 hole 0.762: 2(0.975,-98.85) 2(0.975,-96.221) 2(0.975,-93.717) 2(0.975,-91.213) 2(0.975,-88.71) 2(0.975,-86.206) 2(0.975,-83.702) 2(0.975,-81.198) 2(0.975,-78.694) 2(0.975,-76.19) 2(0.975,-73.687) 2(0.975,-71.183) 2(0.975,-68.679) 2(0.975,-66.175) 2(0.975,-63.671) 2(0.975,-61.167) 2(0.975,-58.663) 2(0.975,-56.16) 2(0.975,-53.656) 2(0.975,-51.152) 2(0.975,-48.648) 2(0.975,-46.144) 2(0.975,-43.64) 2(0.975,-41.137) 2(0.975,-38.633) 2(0.975,-36.129) 2(0.975,-33.625) 2(0.975,-31.121) 2(0.975,-28.617) 2(0.975,-26.113) 2(0.975,-23.61) 2(0.975,-21.106) 2(0.975,-18.602) 2(0.975,-16.098) 2(0.975,-13.594) 2(0.975,-11.09) 2(0.975,-8.587) 2(0.975,-6.083) 2(0.975,-3.579) 2(0.975,-1.125) 2(3.495,-98.875) 2(3.495,-34.075) 2(3.495,-1.125) 2(6.016,-98.875) 2(6.016,-34.075) 2(6.016,-1.125) 2(8.536,-98.875) 2(8.536,-1.125) 2(11.056,-98.875) 2(11.056,-34.075) 2(11.056,-1.125) 2(13.577,-98.875) 2(13.577,-1.125) 2(14.175,-34.075) 2(16.097,-98.875) 2(16.097,-1.125) 2(18.618,-98.875) 2(18.618,-34.075) 2(18.618,-1.125) 2(21.138,-98.875) 2(21.138,-34.075) 2(21.138,-1.125) 2(23.658,-98.875) 2(23.658,-34.075) 2(23.658,-1.125) 2(26.179,-98.875) 2(26.179,-34.075) 2(26.179,-1.125) 2(28.699,-98.875) 2(28.699,-34.075) 2(28.699,-1.125) 2(31.219,-98.875) 2(31.219,-34.075) 2(31.219,-1.125) 2(33.74,-98.875) 2(33.74,-34.075) 2(33.74,-1.125) 2(36.26,-98.875) 2(36.26,-34.075) 2(36.26,-1.125) 2(38.7,-34.075) 2(38.781,-98.875) 2(38.781,-1.125) 2(41.301,-98.875) 2(41.301,-1.125) 2(43.821,-98.875) 2(43.821,-34.075) 2(43.821,-1.125) 2(46.342,-98.875) 2(46.342,-1.125) 2(48.862,-98.875) 2(48.862,-1.125) 2(51.382,-98.925) 2(51.382,-1.125) 2(53.903,-98.875) 2(53.903,-1.125) 2(56.423,-98.875) 2(56.423,-1.125) 2(58.943,-98.875) 2(58.943,-1.125) 2(61.464,-98.875) 2(61.464,-1.125) 2(63.984,-98.875) 2(63.984,-1.125) 2(66.505,-98.875) 2(66.505,-1.125) 2(68.975,-1.125) 2(69.025,-96.596) 2(69.025,-94.148) 2(69.025,-91.7) 2(69.025,-89.252) 2(69.025,-86.804) 2(69.025,-84.356) 2(69.025,-81.908) 2(69.025,-79.46) 2(69.025,-77.012) 2(69.025,-74.564) 2(69.025,-72.116) 2(69.025,-69.668) 2(69.025,-67.22) 2(69.025,-64.772) 2(69.025,-62.324) 2(69.025,-59.876) 2(69.025,-57.428) 2(69.025,-54.98) 2(69.025,-52.533) 2(69.025,-50.085) 2(69.025,-47.637) 2(69.025,-45.189) 2(69.025,-42.741) 2(69.025,-40.293) 2(69.025,-37.845) 2(69.025,-35.397) 2(69.025,-32.949) 2(69.025,-30.501) 2(69.025,-28.053) 2(69.025,-25.605) 2(69.025,-23.157) 2(69.025,-20.709) 2(69.025,-18.261) 2(69.025,-15.813) 2(69.025,-13.365) 2(69.025,-10.917) 2(69.025,-8.469) 2(69.025,-6.021) 2(69.025,-3.573) 2(69.075,-98.875)
  rect 6x6 hole 2.8: MH(5.1,-95.075) MH(5.125,-5.075) MH(65.1,-95.075) MH(65.1,-5.075)

## Via types
v1: diameter 0.45, hole 0.2, Layer 1 to Layer 4, 335 vias
v2: diameter 0.737, hole 0.45, Layer 1 to Layer 4, 194 vias
v3: diameter 0.45, hole 0.2, Layer 1 to Layer 4, tented both sides, 182 vias
v4: diameter 0.6, hole 0.3, Layer 1 to Layer 4, 42 vias
v5: diameter 0.75, hole 0.45, Layer 1 to Layer 4, tented both sides, 13 vias
v6: diameter 0.75, hole 0.45, Layer 1 to Layer 4, 13 vias
v7: diameter 0.737, hole 0.45, Layer 1 to Layer 4, tented both sides, 5 vias
v8: diameter 0.5, hole 0.2, Layer 1 to Layer 4, 4 vias
v9: diameter 0.75, hole 0.45, Layer 1 to Layer 4, tented bottom, 1 vias